# Altium PCB logic_board.PcbDoc
Units mil, origin at the board's own origin, x right, y up, seen from the top; angles counter-clockwise.
Board outline 6062.99 x 3228.35 mil, 2 copper layers (Top Layer, Bottom Layer), stack 61.756 mil thick; 138 components, 97 nets, 418 pads, 58 vias.
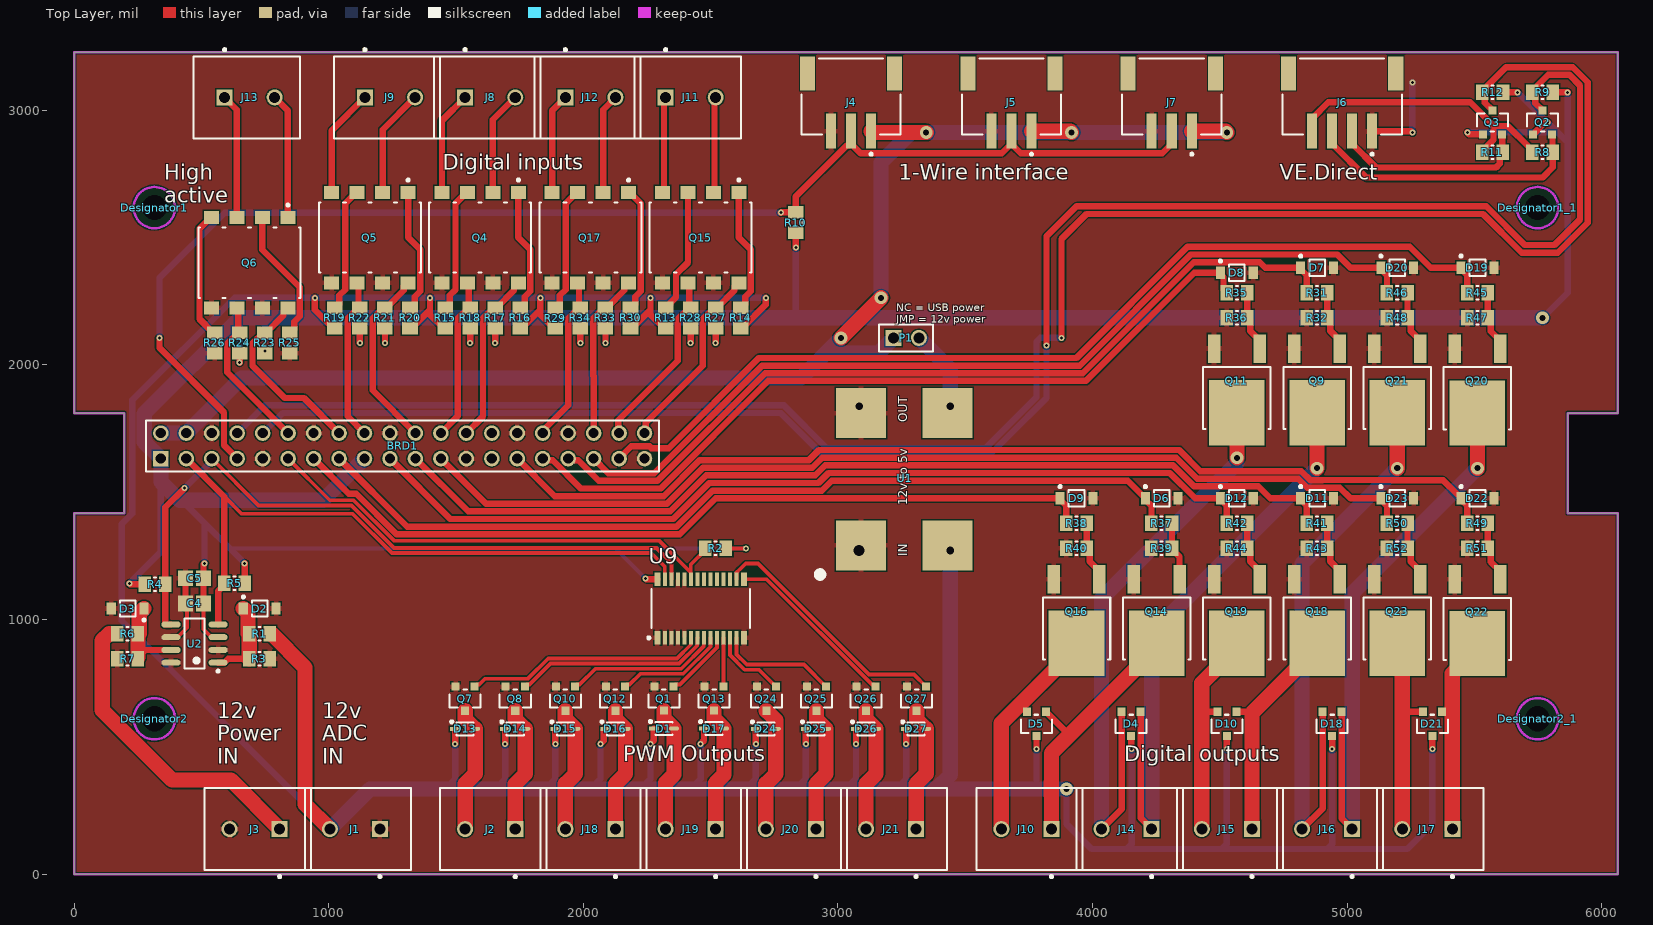
[diagram p0: Top Layer view]
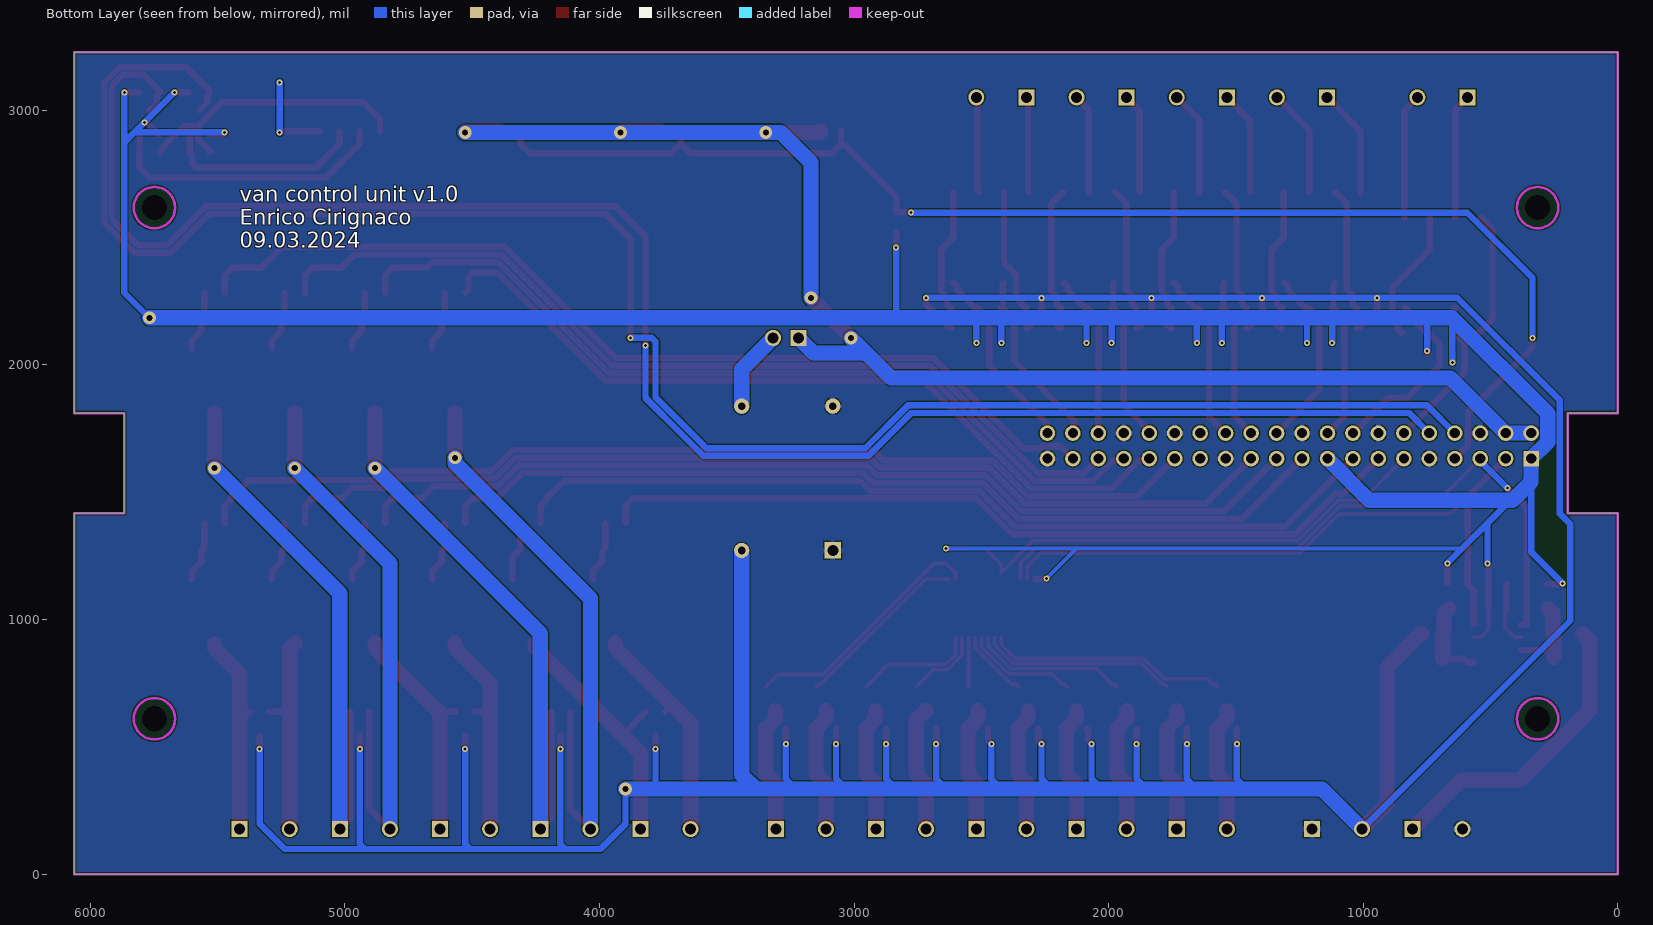
[diagram p1: Bottom Layer view, seen from below]

## Layer stack, top to bottom
Top Solder: solder mask 1, SM-001, Dk 4
Top Layer: signal copper 1.378
Dielectric 1: core 59, Core-043, Dk 4.3
Bottom Layer: signal copper 1.378
Bottom Solder: solder mask 1, SM-001, Dk 4

## Board outline
0,0 0,1417.32 196.85,1417.32 196.85,1811.02 0,1811.02 0,3228.35 6062.99,3228.35 6062.99,1811.02 5866.14,1811.02 5866.14,1417.32 6062.99,1417.32 6062.99,0

## Design rules (kind name [scope] priority, off if disabled: settings)
BoardOutlineClearance [All] p1: gap=7.87 ignorepadtopadclearanceinfootprint=FALSE
Clearance [All] p1: gap=5 ignorepadtopadclearanceinfootprint=FALSE except(9.84: Arc-Hole Track-Hole SMDPad-Hole THPad-Hole Via-Hole Fill-Hole Poly-Hole Region-Hole Text-Hole)
ComponentClearance [All] p1: gap=5 collisioncheckmode=3 verticalgap=5 showdistances=TRUE
DiffPairsRouting [All] p1: maxlimit=10 minlimit=5 mostfreqgap=5 toplayer_minwidth=5 toplayer_maxwidth=1000 toplayer_prefwidth=5 bottomlayer_minwidth=5 bottomlayer_maxwidth=1000 bottomlayer_prefwidth=5 maxuncoupledlength=500
Height [All] p1: minheight=0 maxheight=71497.94 prefheight=500
HoleSize [All] p1: absolutevalues=TRUE maxlimit=248.03 minlimit=11.81 maxpercent=80.000 minpercent=20.000
HoleToHoleClearance [All] p1: gap=9.84 allowstackedmicrovias=FALSE
MinimumAnnularRing [All] p1: minimumring=3
MinimumSolderMaskSliver [All] p1: minsoldermaskwidth=0
PlaneClearance [All] p1: clearance=5
PlaneConnect PlaneConnectPowerPads [InPadClass('PowerPads')] p1: planeconnectstyle=Direct reliefexpansion=20 reliefentries=4 reliefconductorwidth=10 reliefairgap=10
PlaneConnect [All] p2: pad.planeconnectstyle=Relief pad.reliefexpansion=11.81 pad.reliefentries=4 pad.reliefconductorwidth=5 pad.reliefairgap=5 via.planeconnectstyle=Direct via.reliefexpansion=11.81 via.reliefentries=4 via.reliefconductorwidth=5 via.reliefairgap=5
PolygonConnect PolygonConnectPowerPads [All vs (InPadClass('PowerPads'))] p1: connectstyle=Direct reliefconductorwidth=10 reliefentries=4 polygonreliefangle="90 Angle" airgapwidth=10
PolygonConnect [All] p2: thpad.connectstyle=Relief thpad.reliefconductorwidth=20 thpad.reliefentries=4 thpad.polygonreliefangle="90 Angle" thpad.airgapwidth=5 smdpad.connectstyle=Relief smdpad.reliefconductorwidth=20 smdpad.reliefentries=4 smdpad.polygonreliefangle="90 Angle" smdpad.airgapwidth=5 via.connectstyle=Direct via.reliefconductorwidth=5 via.reliefentries=4 via.polygonreliefangle="90 Angle" via.airgapwidth=5
RoutingVias [All] p1: holewidth=11.81 width=23.62 viastyle="Through Hole" minholewidth=11.81 minwidth=23.62 maxholewidth=23.62 maxwidth=259.84
SilkToSilkClearance [All] p1: silktosilkclearance=0
SilkToSolderMaskClearance [IsPad] p1: minsilkscreentomaskgap=5 clearancetoexposedcopper=TRUE
SolderMaskExpansion [All] p1: expansion=2.95 istentingtop=FALSE
Width [All] p1: maxlimit=60 minlimit=15 preferedwidth=25
20 further rules are at their usual default settings.

## Classes and differential pairs
component class U_led_control: D1 D13 D14 D15 D16 D17 D24 D25 D26 D27 J2 J18 J19 J20 J21 Q1 Q7 Q8 Q10 Q12 Q13 Q24 Q25 Q26 Q27 R2 U9
component class U_output_module: D4 D5 D6 D7 D8 D9 D10 D11 D12 D18 D19 D20 D21 D22 D23 J10 J14 J15 J16 J17 Q9 Q11 Q14 Q16 Q18 Q19 Q20 Q21 Q22 Q23 R31 R32 R35 R36 R37 R38 R39 R40 R41 R42 R43 R44 R45 R46 R47 R48 R49 R50 R51 R52
component class U_input_module: J8 J9 J11 J12 J13 Q4 Q5 Q6 Q15 Q17 R13 R14 R15 R16 R17 R18 R19 R20 R21 R22 R23 R24 R25 R26 R27 R28 R29 R30 R33 R34 X?
component class U_interfaces_module: C4 C5 D2 D3 J3 J4 J5 J6 J7 Q2 Q3 R1 R3 R4 R5 R6 R7 R8 R9 R10 R11 R12 U2 X?
component class U_control_module: BRD1 J1 L? P1 U1

## Components (designator, comment, footprint, x,y, rotation, side; value= is the part's Value field where it differs from the comment)
BRD1 "Raspberry Pi Zero" RASPBERRY_PI_ZERO 340.16,1732.28 r0 top locked
C4 "100nF 25V" CAPC2013X88X50ML20T25 472.44,1062.99 r0 top
C5 "10uF 25V" CAPC2013X88X50ML20T25 472.44,1161.42 r0 top
D1 "1N4148WS" FP-477AB-IPC_C 2316.25,571.66 r0 top
D2 "MMSZ4678T1G" ONSC-SOD-123-2-425-04_V 728.35,1043.31 r0 top
D3 "MMSZ4678T1G" ONSC-SOD-123-2-425-04_V 209.76,1043.31 r180 top
D4 "BAT54C" SOT-23 4151.57,590.55 r270 top
D5 "BAT54C" SOT-23 3779.53,590.55 r270 top
D6 "MMSZ5226BT1G" ONSC-SOD-123-2-425-04_V 4271.65,1476.38 r0 top
D7 "MMSZ5226BT1G" ONSC-SOD-123-2-425-04_V 4881.89,2381.89 r0 top
D8 "MMSZ5226BT1G" ONSC-SOD-123-2-425-04_V 4566.93,2362.2 r0 top
D9 "MMSZ5226BT1G" ONSC-SOD-123-2-425-04_V 3937.01,1476.38 r0 top
D10 "BAT54C" SOT-23 4527.56,590.55 r270 top
D11 "MMSZ5226BT1G" ONSC-SOD-123-2-425-04_V 4881.89,1476.38 r0 top
D12 "MMSZ5226BT1G" ONSC-SOD-123-2-425-04_V 4566.93,1476.38 r0 top
D13 "1N4148WS" FP-477AB-IPC_C 1535.43,570.87 r0 top
D14 "1N4148WS" FP-477AB-IPC_C 1732.28,570.87 r0 top
D15 "1N4148WS" FP-477AB-IPC_C 1929.13,570.87 r0 top
D16 "1N4148WS" FP-477AB-IPC_C 2125.98,570.87 r0 top
D17 "1N4148WS" FP-477AB-IPC_C 2513.1,571.66 r0 top
D18 "BAT54C" SOT-23 4940.94,590.55 r270 top
D19 "MMSZ5226BT1G" ONSC-SOD-123-2-425-04_V 5511.81,2381.89 r0 top
D20 "MMSZ5226BT1G" ONSC-SOD-123-2-425-04_V 5196.85,2381.89 r0 top
D21 "BAT54C" SOT-23 5334.65,590.55 r270 top
D22 "MMSZ5226BT1G" ONSC-SOD-123-2-425-04_V 5511.81,1476.38 r0 top
D23 "MMSZ5226BT1G" ONSC-SOD-123-2-425-04_V 5196.85,1476.38 r0 top
D24 "1N4148WS" FP-477AB-IPC_C 2716.54,570.87 r0 top
D25 "1N4148WS" FP-477AB-IPC_C 2913.39,570.87 r0 top
D26 "1N4148WS" FP-477AB-IPC_C 3110.24,570.87 r0 top
D27 "1N4148WS" FP-477AB-IPC_C 3307.08,570.87 r0 top
Designator1 "Comment" MOUNTING_HOLE_M2 314.96,2618.11 r0 top locked
Designator1_1 "Comment" MOUNTING_HOLE_M2 5748.03,2618.11 r0 top locked
Designator2 "Comment" MOUNTING_HOLE_M2 314.96,610.24 r0 top locked
Designator2_1 "Comment" MOUNTING_HOLE_M2 5748.03,610.24 r0 top locked
J1 "282836-2" TECO-282836-2_V 1102.36,177.17 r180 top locked
J2 "282836-2" TECO-282836-2_V 1633.86,177.17 r180 top
J3 "282836-2" TECO-282836-2_V 708.66,177.17 r180 top locked
J4 "JST-S3B-PH-SM4-TB-3_V" JST-S3B-PH-SM4-TB-3_V 3051.18,3031.5 r180 top locked
J5 "JST-S3B-PH-SM4-TB-3_V" JST-S3B-PH-SM4-TB-3_V 3681.1,3031.5 r180 top locked
J6 "JST-S4B-PH-SM4-TB-3_V" JST-S4B-PH-SM4-TB-3_V 4980.32,3031.5 r180 top locked
J7 "JST-S3B-PH-SM4-TB-3_V" JST-S3B-PH-SM4-TB-3_V 4311.02,3031.5 r180 top locked
J8 "282836-2" TECO-282836-2_V 1633.86,3051.18 r0 top locked
J9 "282836-2" TECO-282836-2_V 1240.16,3051.18 r0 top locked
J10 "282836-2" TECO-282836-2_V 3740.16,177.17 r180 top locked
J11 "282836-2" TECO-282836-2_V 2421.26,3051.18 r0 top locked
J12 "282836-2" TECO-282836-2_V 2027.56,3051.18 r0 top locked
J13 "282836-2" TECO-282836-2_V 688.98,3051.18 r0 top locked
J14 "282836-2" TECO-282836-2_V 4133.86,177.17 r180 top locked
J15 "282836-2" TECO-282836-2_V 4527.56,177.17 r180 top locked
J16 "282836-2" TECO-282836-2_V 4921.26,177.17 r180 top locked
J17 "282836-2" TECO-282836-2_V 5314.96,177.17 r180 top locked
J18 "282836-2" TECO-282836-2_V 2027.56,177.17 r180 top
J19 "282836-2" TECO-282836-2_V 2421.26,177.17 r180 top
J20 "282836-2" TECO-282836-2_V 2814.96,177.17 r180 top
J21 "282836-2" TECO-282836-2_V 3208.66,177.17 r180 top
P1 "Jumper" 61300211121 3267.72,2106.3 r0 top
Q1 "AO3400A" SOT-23 2316.25,689.77 r270 top
Q2 "AO3400A" SOT-23 5767.72,2952.76 r90 top
Q3 "AO3400A" SOT-23 5570.87,2952.76 r90 top
Q4 "LTV-827S-TA1" FP-LTV-827S-TA1-MFG 1594.49,2500 r270 top
Q5 "LTV-827S-TA1" FP-LTV-827S-TA1-MFG 1161.42,2500 r270 top
Q6 "LTV-827S-TA1" FP-LTV-827S-TA1-MFG 688.98,2401.57 r270 top
Q7 "AO3400A" SOT-23 1535.43,688.98 r270 top
Q8 "AO3400A" SOT-23 1732.28,688.98 r270 top
Q9 "FDD86250" FP-369AS-MFG 4881.89,1870.08 r180 top
Q10 "AO3400A" SOT-23 1929.13,688.98 r270 top
Q11 "FDD86250" FP-369AS-MFG 4566.93,1870.08 r180 top
Q12 "AO3400A" SOT-23 2125.98,688.98 r270 top
Q13 "AO3400A" SOT-23 2513.1,689.77 r270 top
Q14 "FDD86250" FP-369AS-MFG 4251.97,964.57 r180 top
Q15 "LTV-827S-TA1" FP-LTV-827S-TA1-MFG 2460.63,2500 r270 top
Q16 "FDD86250" FP-369AS-MFG 3937.01,964.57 r180 top
Q17 "LTV-827S-TA1" FP-LTV-827S-TA1-MFG 2027.56,2500 r270 top
Q18 "FDD86250" FP-369AS-MFG 4881.89,964.57 r180 top
Q19 "FDD86250" FP-369AS-MFG 4566.93,964.57 r180 top
Q20 "FDD86250" FP-369AS-MFG 5511.81,1868.6 r180 top
Q21 "FDD86250" FP-369AS-MFG 5196.85,1870.08 r180 top
Q22 "FDD86250" FP-369AS-MFG 5511.81,963.09 r180 top
Q23 "FDD86250" FP-369AS-MFG 5196.85,964.57 r180 top
Q24 "AO3400A" SOT-23 2718.5,688.98 r270 top
Q25 "AO3400A" SOT-23 2915.35,688.98 r270 top
Q26 "AO3400A" SOT-23 3110.24,688.98 r270 top
Q27 "AO3400A" SOT-23 3309.06,688.98 r270 top
R1 "700kΩ" RESC2013X50X30ML20T20 728.35,944.88 r180 top
R2 "10kΩ" RESC2013X50X30ML20T20 2519.69,1279.53 r0 top
R3 "100kΩ" RESC2013X50X30ML20T20 727.36,846.46 r180 top
R4 "4.1kΩ" RESC2013X50X30ML20T20 317.51,1137.99 r180 top
R5 "4.1kΩ" RESC2013X50X30ML20T20 629.92,1141.73 r0 top
R6 "700kΩ" RESC2013X50X30ML20T20 209.76,944.88 r0 top
R7 "100kΩ" RESC2013X50X30ML20T20 209.76,846.46 r0 top
R8 "100kΩ" RESC2013X50X30ML20T20 5767.72,2834.65 r0 top
R9 "100kΩ" RESC2013X50X30ML20T20 5767.72,3070.87 r180 top
R10 "4.1kΩ" RESC2013X50X30ML20T20 2834.65,2559.06 r270 top
R11 "100kΩ" RESC2013X50X30ML20T20 5570.87,2834.65 r0 top
R12 "100kΩ" RESC2013X50X30ML20T20 5571.85,3070.87 r180 top
R13 "4.7kΩ" RESC2013X50X30ML20T20 2322.83,2185.04 r90 top
R14 "4.7kΩ" RESC2013X50X30ML20T20 2618.11,2185.04 r90 top
R15 "4.7kΩ" RESC2013X50X30ML20T20 1456.69,2185.04 r90 top
R16 "4.7kΩ" RESC2013X50X30ML20T20 1751.97,2185.04 r90 top
R17 "100kΩ" RESC2013X50X30ML20T20 1653.54,2185.04 r90 top
R18 "100kΩ" RESC2013X50X30ML20T20 1555.12,2185.04 r90 top
R19 "4.7kΩ" RESC2013X50X30ML20T20 1023.62,2185.04 r90 top
R20 "4.7kΩ" RESC2013X50X30ML20T20 1318.9,2185.04 r90 top
R21 "100kΩ" RESC2013X50X30ML20T20 1220.47,2185.04 r90 top
R22 "100kΩ" RESC2013X50X30ML20T20 1122.05,2185.04 r90 top
R23 "100kΩ" RESC2013X50X30ML20T20 748.03,2086.61 r90 top
R24 "100kΩ" RESC2013X50X30ML20T20 649.61,2086.61 r90 top
R25 "4.7kΩ" RESC2013X50X30ML20T20 846.46,2086.61 r270 top
R26 "4.7kΩ" RESC2013X50X30ML20T20 551.18,2086.61 r270 top
R27 "100kΩ" RESC2013X50X30ML20T20 2519.69,2185.04 r90 top
R28 "100kΩ" RESC2013X50X30ML20T20 2421.26,2185.04 r90 top
R29 "4.7kΩ" RESC2013X50X30ML20T20 1889.76,2184.06 r90 top
R30 "4.7kΩ" RESC2013X50X30ML20T20 2185.04,2185.04 r90 top
R31 "1kΩ" RESC2013X50X30ML20T20 4881.89,2283.46 r0 top
R32 "100kΩ" RESC2013X50X30ML20T20 4881.89,2185.04 r0 top
R33 "100kΩ" RESC2013X50X30ML20T20 2086.61,2185.04 r90 top
R34 "100kΩ" RESC2013X50X30ML20T20 1988.19,2185.04 r90 top
R35 "1kΩ" RESC2013X50X30ML20T20 4566.93,2283.46 r0 top
R36 "100kΩ" RESC2013X50X30ML20T20 4566.93,2185.04 r0 top
R37 "1kΩ" RESC2013X50X30ML20T20 4271.65,1377.95 r0 top
R38 "1kΩ" RESC2013X50X30ML20T20 3937.01,1377.95 r0 top
R39 "100kΩ" RESC2013X50X30ML20T20 4271.65,1279.53 r0 top
R40 "100kΩ" RESC2013X50X30ML20T20 3937.01,1279.53 r0 top
R41 "1kΩ" RESC2013X50X30ML20T20 4881.89,1377.95 r0 top
R42 "1kΩ" RESC2013X50X30ML20T20 4566.93,1377.95 r0 top
R43 "100kΩ" RESC2013X50X30ML20T20 4881.89,1279.53 r0 top
R44 "100kΩ" RESC2013X50X30ML20T20 4566.93,1279.53 r0 top
R45 "1kΩ" RESC2013X50X30ML20T20 5511.81,2283.46 r0 top
R46 "1kΩ" RESC2013X50X30ML20T20 5196.85,2283.46 r0 top
R47 "100kΩ" RESC2013X50X30ML20T20 5511.81,2185.04 r0 top
R48 "100kΩ" RESC2013X50X30ML20T20 5196.85,2185.04 r0 top
R49 "1kΩ" RESC2013X50X30ML20T20 5511.81,1377.95 r0 top
R50 "1kΩ" RESC2013X50X30ML20T20 5196.85,1377.95 r0 top
R51 "100kΩ" RESC2013X50X30ML20T20 5511.81,1279.53 r0 top
R52 "100kΩ" RESC2013X50X30ML20T20 5196.85,1279.53 r0 top
U1 "12v to 5v power supply" 5V_POWER_SUPPLY 3370.55,1291.02 r90 top
U2 "" SOIC-SN8_L 472.44,905.51 r180 top
U9 "PCA9685PW,112" SOT361-1_V 2460.63,1043.31 r90 top

## Footprints (in the part's own frame and the unit in brackets; to place one, negate y for a bottom-side part, rotate by r counter-clockwise, add the part's x,y. Pads: shape width x height; smd on the part's side, far side on the other; paste and mask are expansions set on the pad)
5V_POWER_SUPPLY [mm]
  rect 1.65x1.65 hole 1.1: 1(-0.5,7.3)
  rect 5x5 smd: 1(0,7.112) 2(13.208,7.112) 3(13.208,-1.524) 4(0,-1.524)
  round 1.524 hole 0.762: 2(13.9,7.3) 3(13.9,-1.8) 4(-0.5,-1.8)
  silkscreen extent -3.2,10.9 -2.6,11.5
61300211121 [mm] "Pin Header, pitch 2.54 mm, THT, Vertical, single row, 2p"
  rect 1.6x1.6 hole 1.1: 1(-1.27,0)
  round 1.6 hole 1.1: 2(1.27,0)
  silkscreen extent -2.69,-1.35 2.69,1.35, body extent -2.54,-1.27 2.54,1.27, height 8.57
CAPC2013X88X50ML20T25 [mm] "Chip Capacitor, 2-Leads, Body 2.00x1.25mm, IPC Low Density"
  rect 1.5x1.55 smd: 1(-0.9,0) 2(0.9,0)
  body extent -1.1,-0.72 1.1,0.72, height 0.88
FP-369AS-MFG [mm]
  rect 1.25x2.85 smd paste+0 mask+0: 1(-2.28,-4.938) 3(2.28,-4.938)
  rect 5.55x6.5 smd paste+0 mask+0: 4(0,1.462)
  silkscreen extent -3.36,-3.11 3.36,3.11, body extent -3.46,-6.46 3.46,4.81, height 0.25
FP-477AB-IPC_C [mil]
  rect 39.59x15.45 smd paste+0 mask+0: 1(-39.38,0)
  rrect100% 39.59x15.45 smd paste+0 mask+0: 2(39.38,0)
  silkscreen extent -57,-26 33,32, body extent -63,-29 63,29, height 10
FP-LTV-827S-TA1-MFG [mm]
  rect 1.3x1.5 smd paste+0 mask+0: 1(-4.5,3.81) 2(-4.5,1.27) 3(-4.5,-1.27) 4(-4.5,-3.81) 5(4.5,-3.81) 6(4.5,-1.27) 7(4.5,1.27) 8(4.5,3.81)
  silkscreen extent -5.87,-5.09 3.5,5.09, body extent -5.25,-5.19 5.25,5.19, height 0.25
JST-S3B-PH-SM4-TB-3_V [mm] "Header, 3-Leads, Body 9.9x7.6mm, Pitch 2mm"
  rect 1x3.5 smd: 1(-2,2.875) 2(0,2.875) 3(2,2.875)
  rect 1.5x3.4 smd: MP1(-4.35,-2.875) MP2(4.35,-2.875)
  silkscreen extent -4.95,-4.37 4.95,5.3, body extent -4.95,-4.3 4.95,4.3, height 5.5
JST-S4B-PH-SM4-TB-3_V [mm] "Header, 3-Leads, Body 9.9x7.6mm, Pitch 2mm"
  rect 1x3.5 smd: 1(-3,2.875) 2(-1,2.875) 3(1,2.875) 4(3,2.875)
  rect 1.5x3.4 smd: MP1(-5.35,-2.875) MP2(5.35,-2.875)
  silkscreen extent -5.95,-4.37 5.95,5.3, body extent -5.93,-4.32 5.97,4.28, height 5.5
MOUNTING_HOLE_M2 [mm]
  round 0 hole 2.5: 15(0,0)
  Top Layer keep-out circle w0.254: c0,0 r2.062
  Bottom Layer keep-out circle w0.254: c0,0 r2.062
  body extent -1.9,-1.9 1.9,1.9, height 2
ONSC-SOD-123-2-425-04_V [mm] "SOD, 2-Leads, Body 2.69x1.6mm"
  rect 0.91x1.22 smd: 1(-1.635,0) 2(1.635,0)
  silkscreen extent -1.76,-0.8 0.78,1.28, body extent -1.35,-0.8 1.35,0.8, height 1.35
RASPBERRY_PI_ZERO [mm]
  rect 1.55x1.55 hole 1.02: 1(0,-2.54)
  round 1.55 hole 1.02: 2(0,0) 3(2.54,-2.54) 4(2.54,0) 5(5.08,-2.54) 6(5.08,0) 7(7.62,-2.54) 8(7.62,0) 9(10.16,-2.54) 10(10.16,0) 11(12.7,-2.54) 12(12.7,0) 13(15.24,-2.54) 14(15.24,0) 15(17.78,-2.54) 16(17.78,0) 17(20.32,-2.54) 18(20.32,0) 19(22.86,-2.54) 20(22.86,0) 21(25.4,-2.54) 22(25.4,0) 23(27.94,-2.54) 24(27.94,0) 25(30.48,-2.54) 26(30.48,0) 27(33.02,-2.54) 28(33.02,0) 29(35.56,-2.54) 30(35.56,0) 31(38.1,-2.54) 32(38.1,0) 33(40.64,-2.54) 34(40.64,0) 35(43.18,-2.54) 36(43.18,0) 37(45.72,-2.54) 38(45.72,0) 39(48.26,-2.54) 40(48.26,0)
  silkscreen extent -1.46,-3.81 49.72,1.27, body extent -8.4,-29.25 57.5,2, height 23.3
RESC2013X50X30ML20T20 [mm] "Chip Resistor, 2-Leads, Body 2.00x1.25mm, IPC Low Density"
  rect 1.25x1.55 smd: 1(-1.025,0) 2(1.025,0)
  silkscreen extent -0.1,-0.67 0.1,0.67, body extent -1.1,-0.72 1.1,0.72, height 0.5
SOIC-SN8_L [mm] "SOIC, 8-Leads, Body 4.9x3.9mm, Pitch 1.27mm, IPC High Density"
  oval 1.9x0.6 smd: 1(-2.35,1.905) 2(-2.35,0.635) 3(-2.35,-0.635) 4(-2.35,-1.905) 5(2.35,-1.905) 6(2.35,-0.635) 7(2.35,0.635) 8(2.35,1.905)
  silkscreen extent -2.48,-2.5 1,2.88, body extent -2,-2.5 2,2.5, height 1.75
SOT361-1_V [mm] "SOP, 28-Leads, Body 9.7x4.4mm, Pitch 0.65mm, NXP Recommended"
  rect 1.35x0.6 smd: 1(-2.925,4.325) 14(-2.925,-4.325) 15(2.925,-4.325) 28(2.925,4.325)
  rect 1.35x0.4 smd: 2(-2.925,3.575) 3(-2.925,2.925) 4(-2.925,2.275) 5(-2.925,1.625) 6(-2.925,0.975) 7(-2.925,0.325) 8(-2.925,-0.325) 9(-2.925,-0.975) 10(-2.925,-1.625) 11(-2.925,-2.275) 12(-2.925,-2.925) 13(-2.925,-3.575) 16(2.925,-3.575) 17(2.925,-2.925) 18(2.925,-2.275) 19(2.925,-1.625) 20(2.925,-0.975) 21(2.925,-0.325) 22(2.925,0.325) 23(2.925,0.975) 24(2.925,1.625) 25(2.925,2.275) 26(2.925,2.925) 27(2.925,3.575)
  silkscreen extent -3.05,-4.9 1.96,5.3, body extent -2.2,-4.85 2.2,4.85, height 1.1
SOT-23 [mm]
  rect 0.8x0.8 smd paste+0 mask+0: 1(-1.2,0.95) 2(-1.2,-0.95) 3(1.2,0)
  silkscreen extent -0.9,-1.55 0.9,1.55, body extent -1.7,-1.78 1.7,1.78, height 0.25
TECO-282836-2_V [mm] "Female Header, Pitch 5mm, 1 x 2 Position, Height 10mm"
  rect 1.6x1.6 hole 1.1: 1(-2.5,0)
  round 1.6 hole 1.1: 2(2.5,0)
  silkscreen extent -5.6,-4.1 5,4.87, body extent -5.6,-4.1 5,4.1, height 10

## Part data
BRD1: library part MCU_raspberryPi_zero, "Raspberry Pi Zero with Header", Package=None, Availability=Unavailable, MF="Raspberry Pi", MP=ADA3708, Price=None, SnapEDA_Link=https://www.snapeda.com/parts/ADA3708/Raspberry%20Pi/view-part/2770118/?ref=snap
C4 C5: library part Cap_0805, "Capacitor"
D1 D13 D14 D15 D16 D17 D24 D25 D26 D27: library part CMP-07163-000040-1, "DIODE GEN PURP 75V 150MA SOD323F", Average Rectified Current=150mA, Forward Voltage=1V, Max Forward Surge Current (Ifsm)=2A, Max Operating Temperature=150°C, Max Repetitive Reverse Voltage (Vrrm)=75V, Min Operating Temperature=-55°C, Package Quantity=1, Peak Reverse Current=5uA, Power Dissipation=200mW, Contact Plating=Tin, Element Configuration=Single, Forward Current=150mA, Height=1mm, Lead Free="Lead Free", Length=1.8mm, Max Reverse Voltage (DC)=75V, Mount="Surface Mount", Number of Pins=2, Packaging="Tape and Reel", Radiation Hardening=No, REACH SVHC="No SVHC", Recovery Time=4ns, Reverse Recovery Time=4ns, Reverse Voltage=75V, Weight=0.0276g, Width=1.35mm
D2 D3: library part CMP-1060-00511-1, "Zener Voltage Regulator, 500 mW, 2-Pin SOD-123, Pb-Free, Tape and Reel", Manufacturer="On Semiconductor", ComponentLink1Description="Manufacturer URL", ComponentLink1URL=http://www.onsemi.com/, ComponentLink2Description=Datasheet, ComponentLink2URL=http://www.onsemi.com/pub_link/Collateral/MMSZ4678T1-D.PDF, ComponentLink3Description="Package Specification", ComponentLink3URL=http://www.onsemi.com/pub_link/Collateral/425-04.PDF, DatasheetVersion="Rev. 9", Mounting Technology="Surface Mount", P Max (W)=0.5, PackageDescription="2-Pin SOD, Body 1.6 x 2.69 mm", PackageReference=SOD-123-2-425-04, PackageVersion="Rev. G, 10/2009", Packing="Tape and Reel", PartNumber=MMSZ4678T1G, RoHS=Pb-Free, VZ Typ (V)=1.8
D4 D5 D10 D18 D21: library part DIODE_BAT54C, "Schottky Barrier Diode, 30 V, 3-Pin SOT23, RoHS, Tape and Reel", Current Ifsm=600mA, Diode Case Style=SOT-23, Forward Current If(AV)=200mA, Forward Voltage=800mV, Junction Temperature Tj Max=125degC, Manufacturer="NXP Semiconductors", Operating Temperature Max=150degC, Operating Temperature Min=-65degC, Operating Temperature Range=-65degCto+150degC, Package Description="3-Pin Small Outline Transistor, Body 1.3 x 2.9 mm, Pitch 0.95 mm", Package Reference=SOT23-3, Package Version=Feb-16, Repetitive Reverse Voltage Vrrm Max=30V, Common Connection=Cathode, Datasheet URL=https://datasheet.ciiva.com/33723/1668625-33723936.pdf, Datasheet Version="Rev. 5 , 10/2012", Diode Type=Schottky, Forward Surge Current Ifsm Max=600mA, Forward Voltage VF Max=800mV, Manufacturer URL=http://www.nxp.com/, No. of Pins=3, Package / Case=SOT-23, Package URL=http://www.nxp.com/documents/outline_drawing/SOT23.pdf, Pin Configuration=1A1,2A2,3comK, Reel Quantity=3000, Reverse Recovery Time trr Max=5ns, Reverse Recovery Time trr Typ=5ns, SMD Marking=L43/*W1, SVHC=NoSVHC(19-Dec-2012), Tape Width=8mm, Termination Type=SMD
D6 D7 D8 D9 D11 D12 D19 D20 D22 D23: library part CMP-1060-00363-1, "Zener Voltage Regulator, 500 mW, 2-Pin SOD-123, Pb-Free, Tape and Reel", Manufacturer="On Semiconductor", ComponentLink1Description="Manufacturer URL", ComponentLink1URL=http://www.onsemi.com/, ComponentLink2Description=Datasheet, ComponentLink2URL=http://www.onsemi.com/pub_link/Collateral/MMSZ5221BT1-D.PDF, ComponentLink3Description="Package Specification", ComponentLink3URL=http://www.onsemi.com/pub_link/Collateral/425-04.PDF, DatasheetVersion="Rev. 12", Mounting Technology="Surface Mount", P Max (W)=0.5, PackageDescription="2-Pin SOD, Body 1.6 x 2.69 mm", PackageReference=SOD-123-2-425-04, PackageVersion="Rev. G, 10/2009", Packing="Tape and Reel", PartNumber=MMSZ5226BT1G, RoHS=Pb-Free, VZ Typ (V)=3.3
J1 J2 J3 J8 J9 J10 J11 J12 J13 J14 J15 J16 J17 J18 J19 J20 J21: library part CMP-1684-00017-1, "Female Header, Pitch 5 mm, 1 x 2 Position, Height 10 mm, Tail Length 3.5 mm, Rohs, Bulk", Color=Green, Current=13.5A, Manufacturer="TE Connectivity", Package Description="Female Header, Pitch 5 mm, 1 x 2 Position, Height 10 mm, Tail Length 3.5 mm", Package Reference=THD, Standard Package=300, Voltage=300V, 3D Model=282836-2.pdf, Category=Connectors,Interconnects, Clamp Material - Plating=Brass-NickelPlated, Contact Material - Plating=Brass-TinPlated, Datasheet URL=http://www.te.com.cn/commerce/DocumentDelivery/DDEController?Action=showdoc&DocId=Catalog+Section%7F1308389_EUROSTYLE_TERMINAL_BLOCKS%7F0607%7Fpdf%7FEnglish%7FENG_CS_1308389_EUROSTYLE_TERMINAL_BLOCKS_0607.pdf%7F282836-2, Dynamic Catalog=BuchananSeries, Family=TerminalBlocks-WiretoBoard, Featured Product=EurostyleTerminalBlockConnectors, Features=Interlocking(Side), Housing Material=Polyamide(PA66),Nylon6/6, Manufacturer URL=http://www.te.com, Mating Orientation=HorizontalwithBoard, Mounting Type=ThroughHole, Number of Levels=1, Other Names="5ULV-02B / A98076", Packaging=Bulk, Pitch="0.197\"(5.00mm)", Positions Per Level=2, Product Training Modules=Wire-to-BoardEurostyleTerminalBlocks, RoHS Information=282836-2StatementofCompliance, Screw Material - Plating=Brass-NickelPlated, Screw Thread=M3, Series=Buchanan, Torque - Screw=0.68Nm(6Lb-In), Wire Gauge=16-30AWG, Wire Termination=Screw-RisingCageClamp
J4 J5 J7: library part CONNECTOR_JST-S3B-PH-SM4
J6: library part CONNECTOR_JST-S4B-PH-SM4
P1: library part CMP-1712-00002-4, "THT Vertical Pin Header WR-PHD, Pitch 2.54 mm, Single Row, 2 pins", Contact Resistance=20mOhm, Manufacturer="Wurth Elektronik", Operating Temperature=-40to105degC, Package Reference=61300211121, Rated Current=3A, Withstanding Voltage=500VAC, Working Voltage=250VAC, Datasheet URL=https://katalog.we-online.de/em/datasheet/6130xx11121.pdf, Gender=Male, Manufacturer URL=http://www.we-online.de, Mounting Technology=THT, Orientation=Vertical, Packaging=Bag, Part Number=61300211121, Pin Number=2, Pitch=2.54mm, Publisher=WurthElektronik, Row Number=Single
Q1 Q2 Q3 Q7 Q8 Q10 Q12 Q13 Q24 Q25 Q26 Q27: library part MOSFET_AO3400A, "MOSFET N-CH 30V 5.7A SOT23", Case/Package=SOT-23, Continuous Drain Current (ID)=5.7A, Drain to Source Voltage (Vdss)=30V, Gate to Source Voltage (Vgs)=12V, Input Capacitance=630pF, Max Operating Temperature=150°C, Max Power Dissipation=1.4W, Min Operating Temperature=-55°C, Lead Free="Lead Free", Mount="Surface Mount", Number of Elements=1, Number of Pins=3, Packaging="Tape and Reel", Power Dissipation=1.4W, Radiation Hardening=No, Rds On Max=26.5mR
Q4 Q5 Q6 Q15 Q17: library part CMP-22018-000005-1, "OPTOISOLATOR 5KV 2CH TRANS 8-SMD", Case/Package=SMD/SMT, Collector Emitter Saturation Voltage=200mV, Collector Emitter Voltage (VCEO)=35V, Current Transfer Ratio=600%, Forward Current=50mA, Forward Voltage=1.4V, Isolation Voltage=5kV, Max Operating Temperature=110°C, Max Power Dissipation=200mW, Min Operating Temperature=-30°C, Package Quantity=1000, Reverse Breakdown Voltage=6V, Fall Time=18000ns, Lead Free="Lead Free", Max Collector Current=50mA, Max Input Current=50mA, Max Output Voltage=35V, Mount="Surface Mount", Number of Channels=2, Number of Circuits=2, Number of Elements=2, Number of Pins=8, Output Current per Channel=50mA, Output Voltage=35V, Packaging="Tape and Reel", Power Dissipation=200mW, Radiation Hardening=No, Rise Time=18000ns